# Altium PCB FPGA_SHIELD_MARK1_Single_Side.PcbDoc (part 2 of 3) (continued)
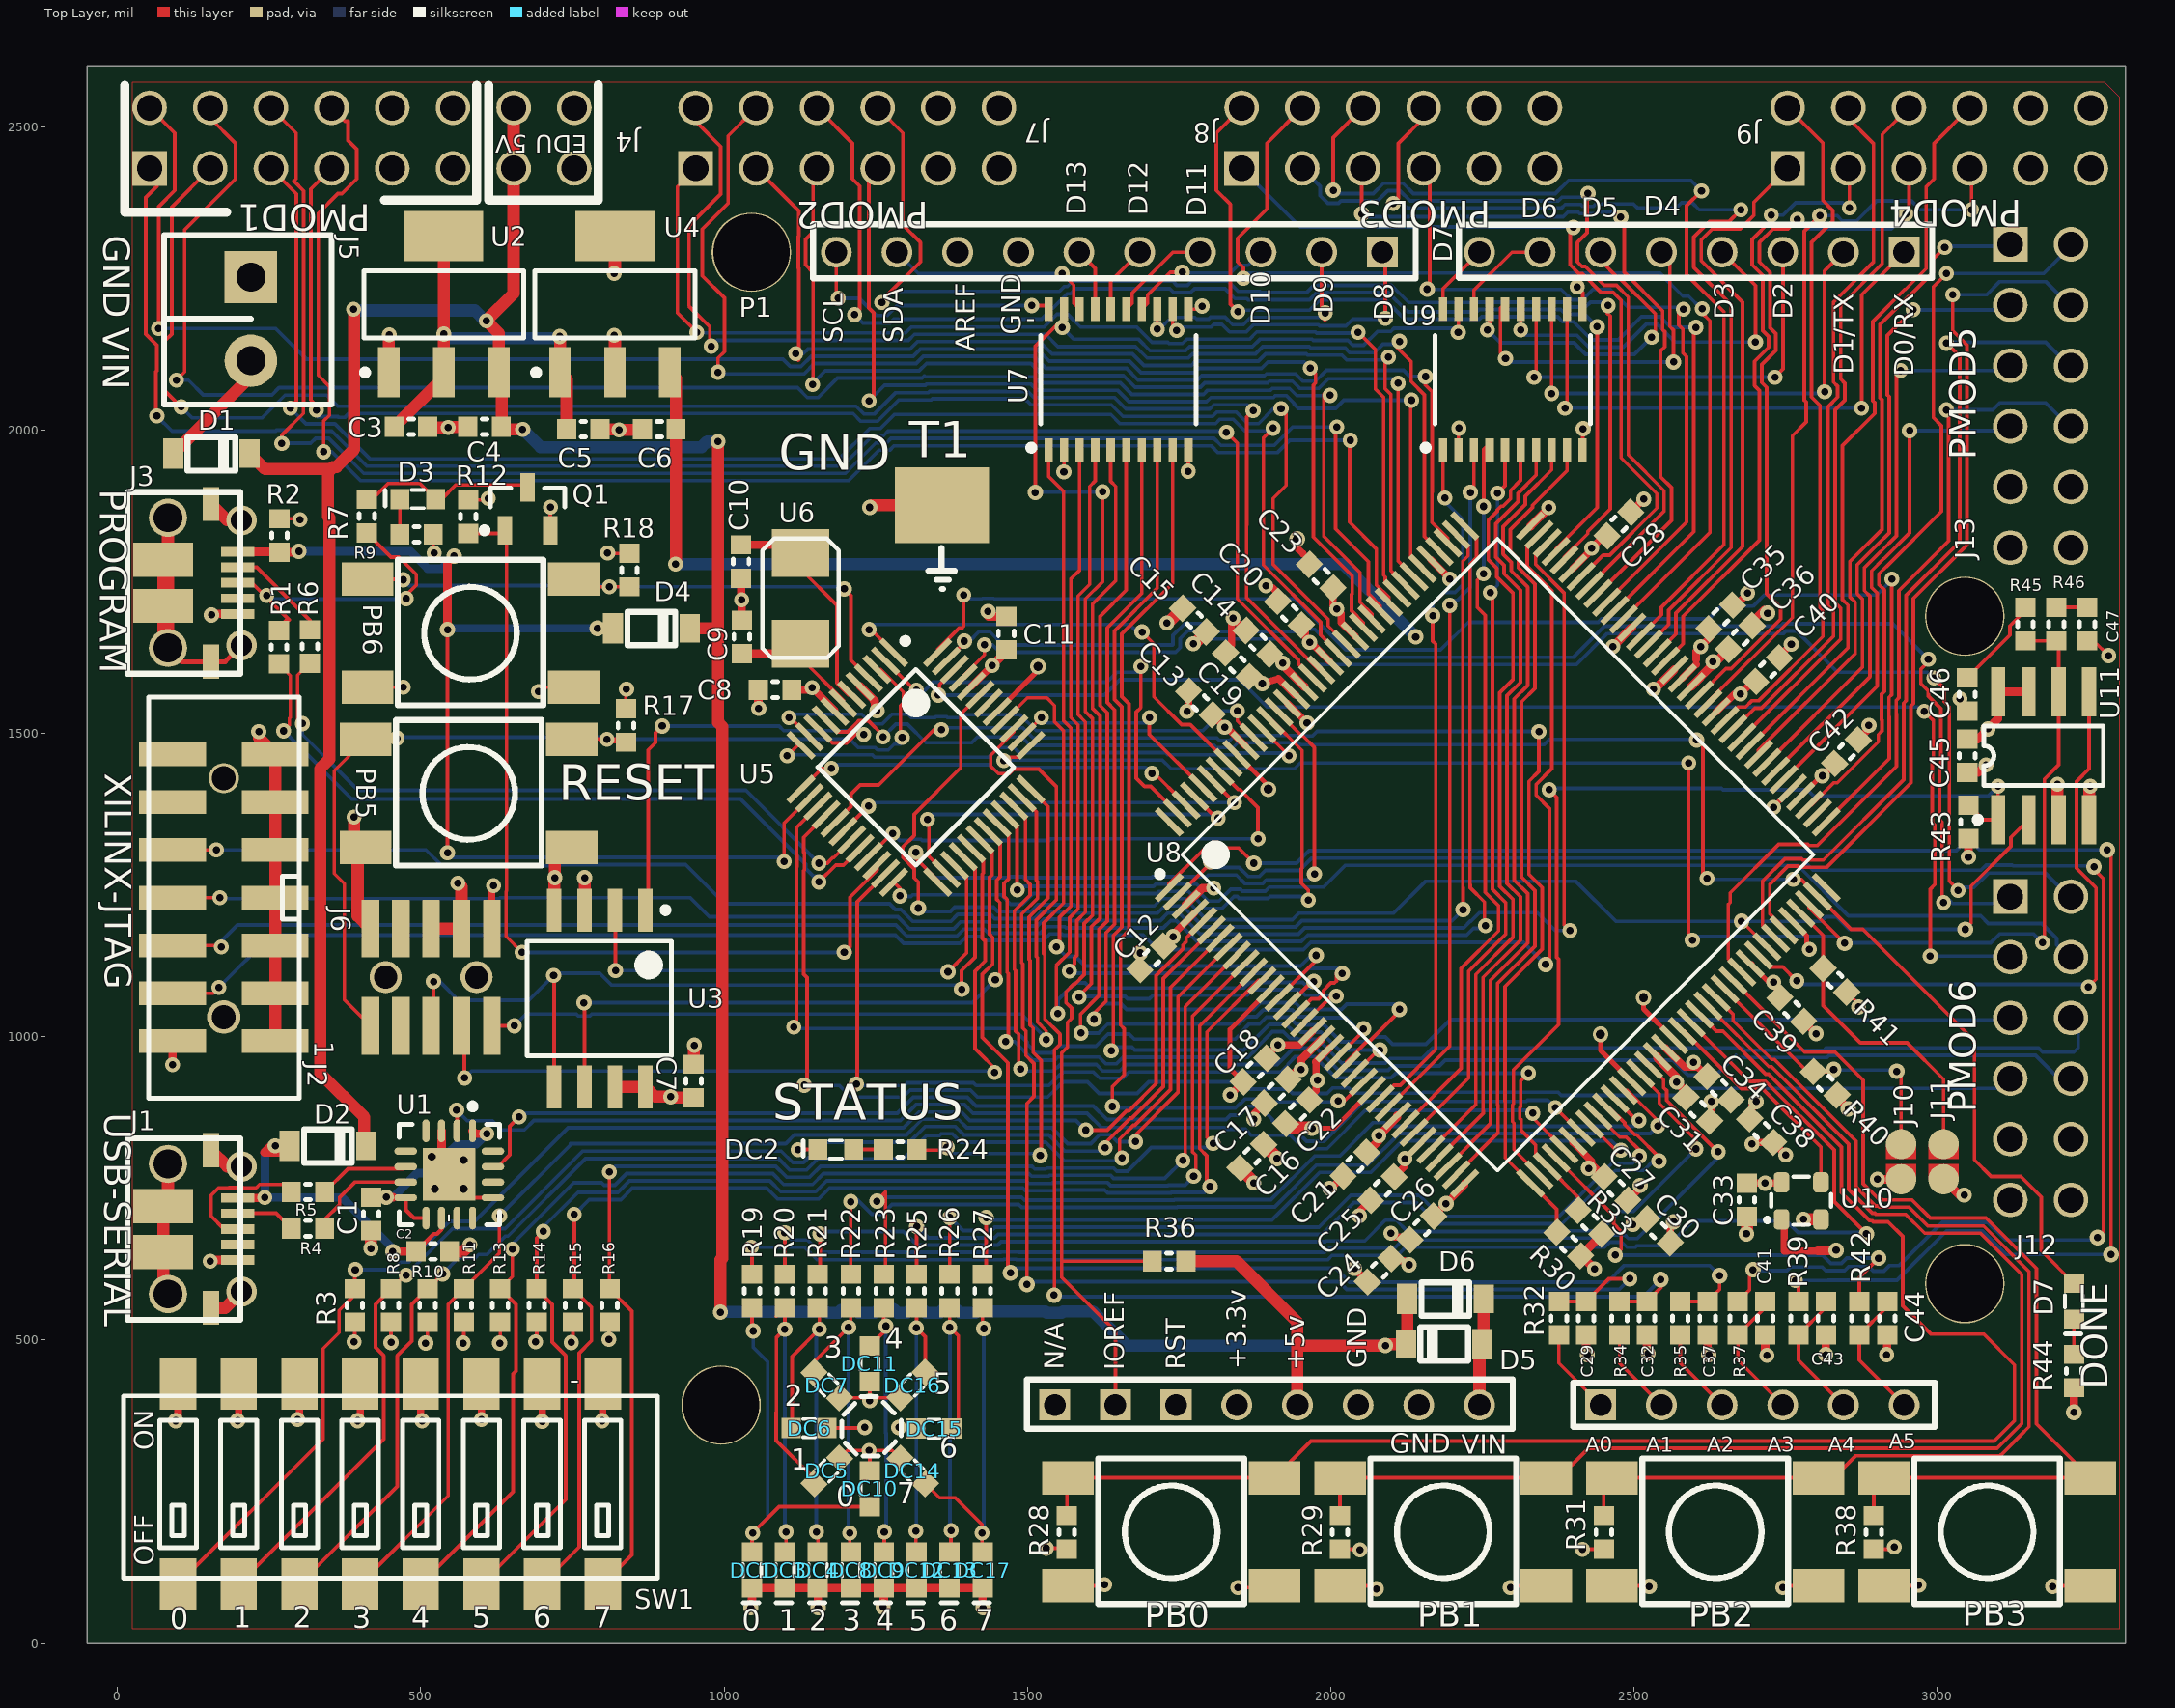
[diagram p0: Top Layer view]
## Nets (pads, with @x,y where several pads share a name; then routed paths per layer and width w, separated by ;. In a path a pad name is that pad's centre, name@x,y a point inside that pad or via, vN(x,y) a via of type N, cw(c..) or ccw(c..) an arc to the next point about the centre after c; other vN are vias at no path point) (continued)
  Bottom Layer w6: v1(2360,1407) 2362.5,1409.5 2643.91,1409.5 2646.41,1407 2785.62,1407 2796.12,1396.5 3083.5,1396.5 v1(3100,1413)
NetU8_64: U8.64 U11.5 | length 1079.1
  Top Layer w6: U8.64@2705.11,1134.36 2724.55,1114.92 2745.08,1114.92 v1(2768,1092) ; v1(3249,1082) 3261.5,1094.5 3261.5,1245.19 3229.19,1277.5 3229.19,1420.59 3250,1441.41 U11.5@3250,1568.32
  Bottom Layer w6: v1(2768,1092) 2773.5,1086.5 3244.5,1086.5 v1(3249,1082)
OSC_FPGA: U8.55 U10.3 | length 365.3
  Top Layer w6: U8.55@2579.84,1009.08 2582.31,1009.08 2676.89,914.5 2711.5,914.5 2807.96,818.04 U10.3@2807.96,760.02
PARD: U5.12 U8.133 | length 932.7
  Top Layer w6: v1(1104,1463) 1121.19,1480.19 U5.12@1126.7,1480.19 ; U8.133@1886.65,1507.4 v1(1931,1463)
  Bottom Layer w6: v1@1108.5,1467.5 1111.5,1464.5 1244.12,1464.5 1248.12,1460.5 1436.09,1460.5 1452.09,1476.5 1477.5,1476.5 1486,1468 1727.38,1468 1730.88,1464.5 1843.85,1464.5 1846.85,1467.5 1926.5,1467.5 v1(1931,1463)
PAWR: U5.24 U8.132 | length 1074.3
  Top Layer w6: U5.24@1279.81,1254.7 1290,1244.51 v1(1290,1232) ; U8.132@1900.57,1521.32 1903.09,1521.32 1952.5,1471.91 1952.5,1277.91 1951.5,1276.91 1951.5,1253.09 1963,1241.59 v1(1963,1225)
  Bottom Layer w6: v1(1290,1232) 1291,1231 1307.89,1231 1310.89,1234 1456.59,1234 1472.09,1218.5 1491.91,1218.5 1509.39,1235.99 1712.7,1235.99 1716.21,1239.5 1765.12,1239.5 1793.12,1211.5 1820.88,1211.5 1840.38,1231 1845.98,1231 1848.98,1228 1897.02,1228 1900.02,1231 1951,1231 1963,1219 v1(1963,1225)
PB0: PB0.B R28.1 U8.57 | length 2624.1
  Top Layer w6: R28.1@1565,210.56 1565,271 PB0.B@1567,273 PB0.B@1907,273 1967.5,333.5 3093.5,333.5 3127,367 3127,459 3076,510 2989,510 2942.73,556.27 2942.73,670.82 2918.56,695 2894.11,695 2892.11,697 2887.68,697 2841.76,742.93 2841.76,818.19 2721.44,938.5 2716.97,938.5 2646.47,1009 2635.6,1009 U8.57@2607.67,1036.92
PB1: PB1.B R29.1 U8.58 | length 2214.1
  Top Layer w6: R29.1@2015,210.56 2015,272.67 PB1.B@2015.33,273 PB1.B@2355.33,273 2376.5,273 2425,321.5 3098.47,321.5 3139,362.03 3139,608.06 3071.06,676 2978.97,676 2947.97,707 2899.08,707 2897.08,709 2892.65,709 2853.76,747.9 2853.76,823.16 2726.41,950.5 2721.94,950.5 U8.58@2621.59,1050.84
PB2: PB2.B R31.1 U8.59 | length 1799.3
  Top Layer w6: R31.1@2450,210.56 2450,259.33 PB2.B@2463.67,273 PB2.B@2803.67,273 2829.27,273 2865.77,309.5 3103.47,309.5 3108.98,315.01 3136.99,342.99 3151,357.03 3151,613.03 3076.03,688 2983.94,688 2952.94,719 2904.05,719 2902.05,721 2897.62,721 2865.76,752.87 2865.76,828.13 2731.38,962.5 2726.91,962.5 2663.28,1026.13 2663.28,1037 U8.59@2635.51,1064.76
PB3: PB3.B R38.1 U8.61 | length 1587.5
  Top Layer w6: U8.61@2663.35,1092.6 2781.5,974.45 2831.66,974.45 2877.76,928.36 2877.76,757.84 2902.59,733 2907.02,733 2909.02,731 2957.91,731 2987.91,701 3080,701 3163,618 3163,362 PB3.B@3252,273 PB3.B@2912,273 2895,256 R38.1@2895,210.56
PD0: U5.2 U8.143 | length 741.1
  Top Layer w6: U5.2@1265.89,1619.38 1312,1573.27 1312,1571 v1(1317,1571) ; v1(1687,1610) 1687,1542.41 1679.5,1534.91 1679.5,1426.09 1693.09,1412.5 1703.16,1412.5 U8.143@1747.45,1368.2
  Bottom Layer w6: v1(1317,1571) 1330.59,1571 1344.09,1584.5 1631.12,1584.5 1647.12,1600.5 1683.5,1600.5 1687,1604 v1(1687,1610)
PD1: U5.13 U8.142 | length 704.3
  Top Layer w6: U5.13@1126.7,1407.81 1160.89,1442 v1(1177,1442) ; v1(1705,1434) 1702,1434 1702,1441.5 U8.142@1761.37,1382.12
  Bottom Layer w6: v1(1177,1442) 1183.5,1448.5 1437.09,1448.5 1452.09,1433.5 1469.91,1433.5 1480.41,1444 1695,1444 v1(1705,1434)
PD2: U5.26 U8.141 | length 641.1
  Top Layer w6: v1(1335,1358) 1337.5,1355.5 1337.5,1297.23 U5.26@1366.11,1268.62 ; U8.141@1775.29,1396.04 1811.34,1360 v1(1814,1360)
  Bottom Layer w6: v1(1335,1358) 1343.5,1366.5 1807.5,1366.5 v1(1814,1360)
PD3: U5.38 U8.140 | length 388.3
  Top Layer w6: U5.38@1491.38,1494.11 1491.38,1494.38 v1(1523,1526) ; v1(1701,1526) 1701,1498.18 U8.140@1789.21,1409.96
  Bottom Layer w6: v1(1523,1526) 1532,1517 1701,1517 v1(1701,1526)
PD4: U5.18 U8.139 | length 718.1
  Top Layer w6: U5.18@1196.29,1338.29 v1(1238,1380) ; U8.139@1803.13,1423.88 v1(1841.01,1386)
  Bottom Layer w6: v1(1238,1380) 1244,1386 v1(1841.01,1386)
PD5: U5.21 U8.138 | length 817.5
  Top Layer w6: U5.21@1238.05,1296.45 1276.6,1335 v1(1278,1335) ; U8.138@1817.05,1437.8 1847.35,1407.5 1849.92,1407.5 1880,1377.42 v1@1880,1317
  Bottom Layer w6: v1(1278,1335) 1289.5,1323.5 1305.09,1323.5 1307.09,1325.5 1324.91,1325.5 1326.91,1323.5 1535.91,1323.5 1538.41,1326 1871,1326 v1@1880,1317
  other v1: 1880,1326
PD6: U5.1 U8.137 | length 783.8
  Top Layer w6: v1(1239,1671) 1242.11,1671 U5.1@1279.81,1633.3 ; v1(1689,1667) 1708.5,1647.5 1708.5,1560.09 1754.09,1514.5 1768.19,1514.5 U8.137@1830.97,1451.72
  Bottom Layer w6: v1(1239,1671) 1247.5,1679.5 1668.5,1679.5 1677,1671
PD7: U5.11 U8.134 | length 885.6
  Top Layer w6: v1(1107,1526) 1108.73,1526 U5.11@1140.62,1494.11 ; v1(1846,1537) 1846,1520.21 U8.134@1872.73,1493.48
  Bottom Layer w6: v1(1107,1526) 1112.5,1531.5 1227.09,1531.5 1243.09,1515.5 1260.91,1515.5 1276.91,1531.5 1302.76,1531.5 1308.26,1526 1347.59,1526 1349.09,1527.5 1366.91,1527.5 1368.41,1526 1388.59,1526 1393.09,1530.5 1488.09,1530.5 1514.09,1504.5 1789.09,1504.5 1821.59,1537 v1(1846,1537)
PMOD1_1: J4.1 U8.127 | length 2716.6
  Top Layer w6: J4.1@53,2431 65,2419 65,2401.5 46.5,2383 46.5,2158.09 65,2139.59 65,2097.38 63.5,2095.88 63.5,2024.5 v1(65,2023) ; v1(1828,1996) 1846,1978 1846,1721.62 1946.5,1621.12 1946.5,1614.58 U8.127@1970.17,1590.92
  Bottom Layer w6: v1(65,2023) 90,1998 260.59,1998 262.09,1999.5 279.91,1999.5 281.41,1998 353.38,1998 410.88,1940.5 1195.01,1940.5 1245.01,1990.5 1262.82,1990.5 1270.32,1998 1826,1998 v1(1828,1996)
PMOD1_2: J4.2 U8.126 | length 2759.6
  Top Layer w6: v1(105,2038) 75.5,2067.5 75.5,2090.91 79,2094.41 79,2147.59 89.5,2158.09 89.5,2367.5 J4.2@153,2431 ; v1(1872,2032) 1861.5,2021.5 1861.5,1843.5 1861,1843 1861,1723.59 1979.76,1604.83 U8.126@1984.08,1604.83
  Bottom Layer w6: v1(105,2038) 123,2020 238.59,2020 276.09,2057.5 344.79,2057.5 363.29,2039 1217.59,2039 1230.09,2026.5 1247.91,2026.5 1282.91,2061.5 1336.44,2061.5 1338.44,2063.5 1500.74,2063.5 1510.74,2053.5 1643.36,2053.5 1662.36,2034.5 1800.15,2034.5 1807.15,2041.5 1862.5,2041.5 v1(1872,2032)
PMOD1_3: J4.3 U8.124 | length 2548.1
  Top Layer w6: J4.3@253,2431 295,2389 295,2047.38 285,2037.38 v1(285,2036) ; v1(1905,2003) 1889,1987 1889,1777.41 1983.46,1682.95 1983.46,1661.95 2011.92,1633.48 U8.124@2011.92,1632.67
  Bottom Layer w6: v1(285,2036) 311,2010 358.35,2010 415.85,1952.5 1190.04,1952.5 1240.04,2002.5 1257.85,2002.5 1280.85,2025.5 1637.42,2025.5 1652.42,2010.5 1810.09,2010.5 1817.09,2017.5 1839.12,2017.5 1858.12,1998.5 1900.5,1998.5 v1(1905,2003)
PMOD1_4: J4.4 U8.123 | length 2535.9
  Top Layer w6: v1(328,2033) 328,2040.38 319,2049.38 319,2397 J4.4@353,2431 ; v1(1918,2035) 1926.5,2026.5 1926.5,1908.5 1905,1887 1905,1778.38 1995.46,1687.92 1995.46,1676.98 U8.123@2025.84,1646.59
  Bottom Layer w6: v1(328,2033) 319,2033 330,2022 363.32,2022 364.72,2020.6 374.66,2020.6 381.06,2027 1212.62,2027 1225.12,2014.5 1252.88,2014.5 1287.88,2049.5 1341.41,2049.5 1343.41,2051.5 1495.77,2051.5 1505.77,2041.5 1638.39,2041.5 1657.39,2022.5 1805.12,2022.5 1812.12,2029.5 1844.09,2029.5 1863.09,2010.5 1880.91,2010.5 1905.41,2035 v1(1918,2035)
PMOD1_7: J4.7 U8.121 | length 2823.4
  Top Layer w6: J4.7@53,2531 94.5,2489.5 94.5,2394.77 68,2368.27 v1(68,2167) ; v1(1966,2102) 1975,2093 1975,2077.41 1971.5,2073.91 1971.5,1823.5 2035.45,1759.55 2035.45,1730.13 2034.24,1728.92 2034.24,1702.02 2053.68,1682.59 U8.121@2053.68,1674.43
  Bottom Layer w6: v1(68,2167) 261,2167 311.5,2116.5 1097.09,2116.5 1109.09,2104.5 1126.91,2104.5 1143.91,2121.5 1311.59,2121.5 1323.59,2133.5 1515.59,2133.5 1535.59,2113.5 1668.21,2113.5 1687.21,2094.5 1775.3,2094.5 1782.3,2101.5 1885.73,2101.5 1896.23,2112 1956,2112 v1(1966,2102)
PMOD1_8: J4.8 U8.120 | length 2884.5
  Top Layer w6: v1(97,2082) 110.69,2095.69 110.69,2330 194.5,2413.81 194.5,2472.5 153,2514 J4.8@153,2531 ; v1(1999,2057) 1993,2063 1988.5,2058.5 1988.5,1824.5 2048.16,1764.84 2048.16,1715.94 2067.6,1696.5 U8.120@2067.6,1688.35
  Bottom Layer w6: v1(97,2082) 117.13,2082 141.33,2057.8 254.8,2057.8 266.5,2069.5 1121.09,2069.5 1137.09,2053.5 1154.91,2053.5 1186.91,2085.5 1326.5,2085.5 1330,2089 1331.5,2087.5 1510.68,2087.5 1520.68,2077.5 1653.3,2077.5 1672.3,2058.5 1790.21,2058.5 1797.21,2065.5 1900.64,2065.5 1903.64,2068.5 1931.88,2068.5 1943.88,2056.5 1998.5,2056.5 v1(1999,2057)
PMOD1_9: J4.9 U8.119 | length 2734.7
  Top Layer w6: J4.9@253,2531 294.5,2489.5 294.5,2413.81 290.83,2410.14 307,2393.97 307,2042.41 306.5,2041.91 306.5,2027.09 271,1991.59 v1(271,1978) ; v1(2010,2005) 2008,2003 2008,1837 2062.08,1782.92 2062.08,1729.86 2081.52,1710.42 U8.119@2081.52,1702.27
  Bottom Layer w6: v1(271,1978) 318.5,1978 326.5,1986 348.41,1986 405.91,1928.5 1199.98,1928.5 1249.98,1978.5 1267.79,1978.5 1275.29,1986 1807.59,1986 1819.09,1974.5 1906.91,1974.5 1937.41,2005 v1(2010,2005)
PMOD1_10: J4.10 U8.118 | length 2681.6
  Top Layer w6: v1(340,1964) 340,2014.59 349.5,2024.09 349.5,2071.5 331,2090 331,2357 363.5,2389.5 370.19,2389.5 394.5,2413.81 394.5,2462.69 380,2477.19 380,2509 375,2509 J4.10@353,2531 ; v1(2032,1983) 2031,1982 2031,1848 2075,1804 2075,1744.78 2095.44,1724.34 U8.118@2095.44,1716.19
  Bottom Layer w6: v1@340,1974 v1(340,1964) 353.44,1964 400.94,1916.5 1204.95,1916.5 1254.95,1966.5 1272.76,1966.5 1280.26,1974 1802.62,1974 1814.12,1962.5 1911.88,1962.5 1932.38,1983 v1(2032,1983)
PMOD2_1: J7.1 U8.117 | length 1885.5
  Top Layer w6: J7.1@953,2431 923,2401 923,2193 v1(955,2161) ; v1(2045,2161) 2073.5,2132.5 2073.5,2067.12 2087,2053.62 2087,1760.54 2090,1757.54 2090,1749.47 U8.117@2109.36,1730.11
  Bottom Layer w6: v1(955,2161) 956,2160 1299.18,2160 1308.68,2169.5 1527.53,2169.5 1548.53,2190.5 1566.34,2190.5 1587.34,2169.5 1680.09,2169.5 1705.09,2144.5 1731.09,2144.5 1733.09,2142.5 1755.42,2142.5 1762.42,2149.5 1865.85,2149.5 1877.85,2161.5 1974.38,2161.5 1976.38,2159.5 2043.5,2159.5 v1(2045,2161)
PMOD2_2: J7.2 U8.116 | length 1765.8
  Top Layer w6: J7.2@1053,2431 1123,2361 1123,2319.43 1122.47,2318.9 1122.47,2267.1 1123,2266.57 1123,2116 1122,2115 1118,2119 v1(1118,2126) ; v1(2095,2120) 2089.5,2114.5 2089.5,2068.09 2099,2058.59 2099,1768.31 U8.116@2123.28,1744.03
  Bottom Layer w6: v1(1118,2126) 1130.65,2126 1138.15,2133.5 1306.62,2133.5 1318.62,2145.5 1520.56,2145.5 1540.56,2125.5 1673.18,2125.5 1692.18,2106.5 1770.33,2106.5 1777.33,2113.5 1880.76,2113.5 1892.76,2125.5 1959.47,2125.5 1961.47,2123.5 2018.15,2123.5 2026.15,2115.5 2090.5,2115.5 v1(2095,2120)
PMOD2_3: J7.3 U8.115 | length 1715.9
  Top Layer w6: v1(1146,2075) 1145,2076 1146.47,2077.47 1146.47,2260.07 1134.47,2272.07 1134.47,2313.93 1146.47,2325.93 1146.47,2424.47 J7.3@1153,2431 ; v1(2111,2077) 2111,1784.15 U8.115@2137.2,1757.95
  Bottom Layer w6: v1(1146,2075) 1145,2076 1166.5,2097.5 1321.53,2097.5 1333.53,2109.5 1505.65,2109.5 1525.65,2089.5 1658.27,2089.5 1677.27,2070.5 1785.24,2070.5 1792.24,2077.5 1895.67,2077.5 1898.67,2080.5 1936.85,2080.5 1948.85,2068.5 1979.88,2068.5 1995.88,2084.5 2103.5,2084.5 v1(2111,2077)
PMOD2_4: J7.4 U8.114 | length 1617.6
  Top Layer w6: v1(1239,2048) 1246.47,2055.47 1246.47,2193.12 1238.5,2201.09 1238.5,2416.5 J7.4@1253,2431 ; v1(2133,2049) 2131.68,2047.68 2131.68,1791.31 U8.114@2151.12,1771.87
  Bottom Layer w6: v1(1239,2048) 1264.5,2073.5 1331.47,2073.5 1333.47,2075.5 1505.71,2075.5 1515.71,2065.5 1648.33,2065.5 1667.33,2046.5 1795.18,2046.5 1802.18,2053.5 1905.61,2053.5 1908.61,2056.5 1926.91,2056.5 1939.5,2043.91 1939.5,2042.75 1946.75,2035.5 2007.91,2035.5 2021.41,2049 v1(2133,2049)
PMOD2_7: J7.7 U8.112 | length 2006.4
  Top Layer w6: J7.7@953,2531 953,2508.73 994.5,2467.23 994.5,2388.5 942,2336 942,2204.41 976.5,2169.91 976.5,2137.5 978.84,2139.84 979,2139.68 v1(979,2138) ; v1(2113,2146) 2109.5,2142.5 2109.5,2135.91 2132.5,2112.91 2132.5,2079.91 2154.5,2057.91 2154.5,1824.16 U8.112@2178.96,1799.71
  Bottom Layer w6: v1(979,2138) 988.5,2147.5 1303.65,2147.5 1313.65,2157.5 1530,2157.5 1550,2137.5 1678.15,2137.5 1697.15,2118.5 1765.36,2118.5 1772.36,2125.5 1875.79,2125.5 1887.79,2137.5 1964.44,2137.5 1966.44,2135.5 2023.12,2135.5 2031.12,2127.5 2072.09,2127.5 2086.09,2141.5 2108.5,2141.5 v1(2113,2146)
PMOD2_8: J7.8 U8.111 | length 1998.5
  Top Layer w6: v1(990,2095) 990,2118.59 1000.5,2129.09 1000.5,2217.5 964,2254 964,2331 1006.5,2373.5 1006.5,2484.5 J7.8@1053,2531 ; v1(2156,2088) 2156,2074 2167,2063 2167,1897.41 2166.5,1896.91 2166.5,1848.15 2192.88,1821.78 U8.111@2192.88,1813.63
  Bottom Layer w6: v1(990,2095) 992.5,2092.5 1131.88,2092.5 1148.88,2109.5 1316.56,2109.5 1328.56,2121.5 1510.62,2121.5 1530.62,2101.5 1663.24,2101.5 1682.24,2082.5 1780.27,2082.5 1787.27,2089.5 1890.7,2089.5 1893.7,2092.5 1941.82,2092.5 1953.82,2080.5 1974.91,2080.5 1992.91,2098.5 2119.91,2098.5 2130.41,2088 v1(2156,2088)
PMOD2_9: J7.9 U8.105 | length 2069.9
  Top Layer w6: J7.9@1153,2531 1211.5,2472.5 1211.5,2413.81 1223.53,2401.78 1223.53,2198.53 v1(1215,2190) ; U8.105@2371.04,1799.71 2371.04,1804.04 2439,1872 v1(2439,2170)
  Bottom Layer w6: v1(1215,2190) 1228.5,2176.5 1273.88,2176.5 1279.88,2182.5 1523.56,2182.5 1565.56,2224.5 1570.88,2224.5 1579.38,2233 1734.62,2233 1741.12,2226.5 1768.88,2226.5 1775.38,2233 1825.62,2233 1842.12,2216.5 1861.5,2216.5 1863.5,2214.5 1965.12,2214.5 1977.12,2226.5 2094.88,2226.5 2126.88,2194.5 2240.12,2194.5 2244.12,2198.5 2378.99,2198.5 2387.07,2190.42 2418.58,2190.42 v1(2439,2170)
PMOD2_10: J7.10 U8.104 | length 2079.8
  Top Layer w6: J7.10@1253,2531 1294.5,2489.5 1294.5,2337.99 1323.53,2308.96 1323.53,2277.04 1260,2213.51 v1(1260,2210) ; U8.104@2384.96,1785.79 2384.96,1790.37 2423.55,1828.95 2423.55,1832.55 2460.5,1869.5 2460.5,2187.91 2456,2192.41 2456,2204 v1(2457,2205)
  Bottom Layer w6: v1(1260,2210) 1278.5,2228.5 1552.59,2228.5 1560.59,2236.5 1565.91,2236.5 1574.41,2245 1739.59,2245 1746.09,2238.5 1763.91,2238.5 1770.41,2245 1830.59,2245 1847.09,2228.5 1882.88,2228.5 1884.88,2226.5 1960.15,2226.5 1972.15,2238.5 2099.85,2238.5 2128.35,2210 2238.65,2210 2239.15,2210.5 2383.96,2210.5 2392.04,2202.42 2419.79,2202.42 2427.88,2210.5 2451.5,2210.5 v1(2457,2205)
PMOD3_1: J8.1 U8.102 | length 1299.1
  Top Layer w6: v1(2400,2334) 2394.47,2328.47 2394.47,2272.07 2409.13,2257.42 2414.82,2257.42 2445.74,2226.5 2465.91,2226.5 2478.5,2213.91 2478.5,1953.91 2537.5,1894.91 2537.5,1871.11 2459.94,1793.55 2448.95,1793.55 2413.35,1757.95 U8.102@2412.8,1757.95
  Bottom Layer w6: J8.1@1853,2431 1949.5,2334.5 v1@2401,2334.5
PMOD3_2: J8.2 U8.101 | length 1300.9
  Top Layer w6: v1(2424,2390) 2422.5,2388.5 2422.5,2324.99 2406.47,2308.96 2406.47,2277.04 2414.1,2269.42 2419.79,2269.42 2450.71,2238.5 2470.88,2238.5 2490.5,2218.88 2490.5,1958.88 2549.5,1899.88 2549.5,1866.14 2427.39,1744.03 U8.101@2426.72,1744.03
  Bottom Layer w6: J8.2@1953,2431 1982.5,2401.5 1982.5,2386.09 1995.09,2373.5 2012.91,2373.5 2016.91,2377.5 2077.09,2377.5 2094.09,2394.5 2113.84,2394.5 2130.84,2377.5 2375.16,2377.5 2381.16,2383.5 v1@2424,2383.5
PMOD3_3: J8.3 U8.100 | length 1227.5
  Top Layer w6: v1(2051,2356) 2051,2429 J8.3@2053,2431 ; U8.100@2440.64,1730.11 2561.5,1850.97 2561.5,1904.85 2543.5,1922.85 2543.5,2130 2550.5,2137 2550.5,2161.91 2547,2165.41 2547,2196.32 2483.53,2259.79 2483.53,2345.47 v1(2478,2351)
  Bottom Layer w6: v1(2051,2356) 2051,2360 2059.5,2351.5 2383.1,2351.5 2391.1,2359.5 2407.12,2359.5 2410.12,2356.5 2437.88,2356.5 2440.88,2359.5 v1@2478,2359.5
PMOD3_4: J8.4 U8.99 | length 1201.7
  Top Layer w6: J8.4@2153,2431 2163,2421 2163,2232 v1(2159,2232) ; U8.99@2454.56,1716.19 2586.5,1848.13 2586.5,2120.91 2580.5,2126.91 2580.5,2165.85 2573.5,2172.85 2573.5,2191.5 v1(2581,2199)
  Bottom Layer w6: v1(2159,2232) 2163,2232 2163.5,2231.5 2379.93,2231.5 2397.01,2214.42 2414.82,2214.42 2431.91,2231.5 2460.91,2231.5 2490.41,2202 v1@2581,2202
PMOD3_7: J8.7 U8.98 | length 1713.6
  Top Layer w6: v1(1847,2195) 1834.47,2207.53 1834.47,2371.8 1811.5,2394.77 1811.5,2489.5 J8.7@1853,2531 ; U8.98@2468.48,1702.27 2598.5,1832.29 2598.5,2165.5 2595,2169 v1(2602,2169)
  Bottom Layer w6: v1(1847,2195) 1849.5,2197.5 1965.09,2197.5 1982.09,2214.5 2089.91,2214.5 2121.91,2182.5 2245.09,2182.5 2249.09,2186.5 2374.02,2186.5 2382.1,2178.42 2400.18,2178.42 2430.09,2148.5 2474,2148.5 2512,2186.5 2542.88,2186.5 2560.38,2169 v1(2602,2169)
PMOD3_8: J8.8 U8.97 | length 1688.9
  Top Layer w6: v1(1856,2250) 1856,2267.51 1846.47,2277.04 1846.47,2315.99 1894.5,2364.02 1894.5,2472.5 J8.8@1953,2531 ; U8.97@2482.4,1688.35 2625,1830.95 2625,2180 2612,2193 v1(2612,2200)
  Bottom Layer w6: v1(1856,2250) 1864.5,2258.5 2542.5,2258.5 2580.5,2220.5 2589.91,2220.5 2610.41,2200 v1(2612,2200)
PMOD3_9: J8.9 U8.95 | length 1622.2
  Top Layer w6: v1(2004,2395) 2004,2482 J8.9@2053,2531 ; U8.95@2510.24,1660.51 2545,1695.28 2545,1707.91 2648,1810.91 2648,2194.41 2586.5,2255.91 2586.5,2369.5 v1(2611,2394)
  Bottom Layer w6: v1(2004,2395) 2009.5,2389.5 2070.19,2389.5 2087.19,2406.5 2118.81,2406.5 2135.81,2389.5 2370.19,2389.5 2392.19,2411.5 2593.5,2411.5 v1(2611,2394)
PMOD3_10: J8.10 U8.94 | length 1620.9
  Top Layer w6: v1(2103,2373) 2111.5,2381.5 2111.5,2472.5 2153,2514 J8.10@2153,2531 ; U8.94@2524.16,1646.59 2557,1679.44 2557,1702.94 2660,1805.94 2660,2206.54 2598.5,2268.04 2598.5,2317.96 2624.07,2343.53 2656.53,2343.53 v1(2676,2363)
  Bottom Layer w6: v1(2103,2373) 2118.37,2373 2125.87,2365.5 2380.13,2365.5 2386.13,2371.5 2412.09,2371.5 2415.09,2368.5 2432.91,2368.5 2436.91,2372.5 2498.88,2372.5 2505.88,2365.5 2569.09,2365.5 2578.09,2374.5 2595.91,2374.5 2607.41,2363 v1(2676,2363)
PMOD4_1: J9.1 U8.93 | length 970.6
  Top Layer w6: U8.93@2538.08,1632.67 2569,1663.6 2569,1697.97 2678.5,1807.47 2678.5,2210.71 2610.5,2278.71 2610.5,2312.99 2629.04,2331.53 2674.93,2331.53 2697.5,2354.09 2697.5,2375.5 J9.1@2753,2431
PMOD4_2: J9.2 U8.92 | length 1047.4
  Top Layer w6: U8.92@2552,1618.75 2581,1647.76 2581,1693 2706.47,1818.47 2706.47,2065.15 2698.5,2073.12 2698.5,2113.09 2721.5,2136.09 2721.5,2153.91 2712,2163.41 2712,2254.54 2694.47,2272.07 2694.47,2313.93 2726,2345.46 v1(2726,2354) ; J9.2@2853,2431 2855,2429 v1(2855,2366)
  Bottom Layer w6: v1(2726,2354) 2745.59,2354 2766.09,2374.5 2843.5,2374.5 2855,2363 v1(2855,2366)
PMOD4_3: J9.3 U8.88 | length 1191
  Top Layer w6: U8.88@2607.67,1563.08 2651.14,1606.55 2659.94,1606.55 2741.5,1688.11 2741.5,1706.91 2718.47,1729.93 2718.47,2070.12 2710.5,2078.09 2710.5,2108.12 2733.5,2131.12 2733.5,2158.88 2724,2168.38 2724,2259.51 2706.47,2277.04 2706.47,2308.96 2729.04,2331.53 2753.53,2331.53 v1(2769,2347) ; v1(2948,2356) 2953,2361 J9.3@2953,2431
  Bottom Layer w6: v1(2769,2347) 2784.5,2331.5 2829.01,2331.5 ; 2829.04,2331.53 2923.53,2331.53 v1(2948,2356)
PMOD4_4: J9.4 U8.87 | length 1225.6
  Top Layer w6: U8.87@2621.59,1549.16 2621.59,1551.23 2761,1690.64 2761,1990.49 2783.53,2013.02 2783.53,2046.1 2780.5,2049.12 2780.5,2327.5 v1(2806,2353) ; J9.4@3053,2431 3056,2428 v1(3056,2363)
  Bottom Layer w6: v1(2806,2353) 2806.5,2353.5 2834.09,2353.5 2843.09,2344.5 2866.91,2344.5 2899.91,2377.5 2956.91,2377.5 2971.41,2363 v1(3056,2363)
PMOD4_7: J9.7 U8.85 | length 1143.3
  Top Layer w6: U8.85@2649.43,1521.32 2671.61,1543.5 2683.91,1543.5 2693.95,1553.55 2704.94,1553.55 2811,1659.61 2811,1701.83 2806.47,1706.36 2806.47,2040.12 2792.5,2054.09 2792.5,2309.09 2827.5,2344.09 2827.5,2361.91 2811,2378.41 2811,2473 J9.7@2753,2531
PMOD4_8: J9.8 U8.84 | length 1157.1
  Top Layer w6: U8.84@2663.35,1507.4 2664.78,1507.4 2698.92,1541.55 2709.91,1541.55 2828.5,1660.14 2828.5,1701.3 2819.5,1710.3 2819.5,2038.09 2835.5,2054.09 2835.5,2071.91 2828.5,2078.91 2828.5,2210.44 2894.5,2276.44 2894.5,2472.5 2853,2514 J9.8@2853,2531
PMOD4_9: J9.9 U8.83 | length 1165.9
  Top Layer w6: U8.83@2677.27,1493.48 2678.81,1493.48 2840.5,1655.17 2840.5,1706.27 2831.5,1715.27 2831.5,2033.12 2847.5,2049.12 2847.5,2076.88 2840.5,2083.88 2840.5,2205.47 2909,2273.97 2909,2487 J9.9@2953,2531
PMOD4_10: J9.10 U8.82 | length 1211.9
  Top Layer w6: U8.82@2691.19,1479.56 2852.5,1640.87 2852.5,1711.24 2843.5,1720.24 2843.5,1974.09 2896.5,2027.09 2896.5,2044.91 2893.5,2047.91 2893.5,2178.88 2946.12,2231.5 2947.23,2231.5 2981.5,2265.77 2981.5,2400.81 2994.5,2413.81 2994.5,2472.5 J9.10@3053,2531
PMOD5_1: J13.1 U8.81 | length 1081.9
  Top Layer w6: U8.81@2705.11,1465.64 2705.11,1472.02 2864.5,1631.41 2864.5,1716.21 2855.5,1725.21 2855.5,1782.79 2908.5,1835.79 2908.5,2049.88 2905.5,2052.88 2905.5,2173.91 2951.09,2219.5 2952.2,2219.5 2993.5,2260.8 2993.5,2282.5 v1(3012,2301)
  Bottom Layer w6: v1(3012,2301) 3014,2303 J13.1@3120,2303
PMOD5_2: J13.2 U8.80 | length 1018.3
  Top Layer w6: U8.80@2719.03,1451.72 2876.5,1609.19 2876.5,1721.18 2867.5,1730.18 2867.5,1777.82 2901.18,1811.5 2901.59,1811.5 2920.5,1830.41 2920.5,2054.85 2917.5,2057.85 2917.5,2155.5 v1(2960,2198)
  Bottom Layer w6: v1(2960,2198) 3115,2198 J13.2@3120,2203
PMOD5_3: J13.3 U8.79 | length 936.3
  Top Layer w6: U8.79@2732.95,1437.8 2888.5,1593.35 2888.5,1726.15 2879.5,1735.15 2879.5,1772.85 2906.15,1799.5 2906.56,1799.5 2932.5,1825.44 2932.5,2091.5 v1(2939,2098)
  Bottom Layer w6: v1(2939,2098) 3115,2098 J13.3@3120,2103
PMOD5_4: J13.4 U8.78 | length 836.3
  Top Layer w6: U8.78@2746.87,1423.88 2900.5,1577.51 2900.5,1731.12 2891.5,1740.12 2891.5,1767.88 2911.12,1787.5 2911.53,1787.5 2954,1829.97 v1(2954,1999)
  Bottom Layer w6: v1(2954,1999) 3116,1999 J13.4@3120,2003
PMOD5_7: J13.7 U8.75 | length 1218
  Top Layer w6: U8.75@2788.63,1382.12 2792.53,1382.12 2828.95,1418.55 2834.94,1418.55 2902.5,1486.11 2902.5,1498.09 2908.5,1504.09 2908.5,1521.91 2908,1522.41 2908,1564.29 2912.5,1568.79 2912.5,1736.09 2903.5,1745.09 2903.5,1762.91 2916.09,1775.5 2916.5,1775.5 3006.5,1865.5 3006.5,2006.91 2993.5,2019.91 2993.5,2236.5 v1(3015,2258)
  Bottom Layer w6: v1(3015,2258) 3175,2258 J13.7@3220,2303
PMOD5_8: J13.8 U8.67 | length 1462
  Top Layer w6: U8.67@2746.87,1176.12 2746.87,1178.83 2723.5,1202.2 2723.5,1251.08 2753.43,1281.01 2771.24,1281.01 2773.17,1279.07 2816.99,1279.07 2956.5,1418.59 2956.5,1544.91 2960.5,1548.91 2960.5,1722.5 3048.5,1810.5 3048.5,2139.91 3025,2163.41 v1(3025,2223)
  Bottom Layer w6: v1(3025,2223) 3081.31,2223 3102.81,2244.5 3178.5,2244.5 J13.8@3220,2203
PMOD5_9: J13.9 U8.66 | length 1396
  Top Layer w6: U8.66@2732.95,1162.2 2711.5,1183.65 2711.5,1256.05 2748.46,1293.01 2776.21,1293.01 2778.14,1291.07 2812.01,1291.07 2944.5,1423.56 2944.5,1549.88 2948.5,1553.88 2948.5,1727.5 3036.5,1815.5 3036.5,2121.5 v1(3015,2143)
  Bottom Layer w6: v1(3015,2143) 3016.5,2144.5 3178.5,2144.5 J13.9@3220,2103
PMOD5_10: J13.10 U8.62 | length 1355.1
  Top Layer w6: U8.62@2677.27,1106.52 2655,1128.79 2655,1217.59 2658.5,1221.09 2658.5,1236.99 2738.52,1317.01 2786.15,1317.01 2788.08,1315.07 2802.07,1315.07 2932.5,1445.5 2932.5,1531.85 2932,1532.35 2932,1554.35 2936.5,1558.85 2936.5,1735.09 3018.5,1817.09 3018.5,2029.5 v1(3015,2033)
  Bottom Layer w6: v1(3015,2033) 3091.31,2033 3102.81,2044.5 3178.5,2044.5 J13.10@3220,2003
PMOD6_1: J12.1 U5.47 | length 2286.8
  Top Layer w6: U5.47@1366.11,1619.38 1396,1649.27 v1(1396,1652) ; v1(2985,1622) 2985,1618.41 2972.5,1605.91 2972.5,1582.09 2985,1569.59 2985,1561.06 3005.5,1540.56 3005.5,1448.12 3003.5,1446.12 3003.5,1358.21 3007.73,1353.97 3007.73,1223.27 v1(3010,1221)
  Bottom Layer w6: v1(1396,1652) 1404.59,1652 1420.09,1667.5 1437.91,1667.5 1459.91,1645.5 1739.12,1645.5 1739.86,1646.24 1739.86,1661.38 1759.49,1681 1787.24,1681 1800.74,1667.5 1952.09,1667.5 1956.09,1671.5 1973.91,1671.5 2019.91,1625.5 2400.12,1625.5 2451.12,1676.5 2741.12,1676.5 2745.12,1680.5 2926.5,1680.5 v1(2985,1622) ; v1(3010,1221) 3013.5,1224.5 3020.09,1224.5 3025.09,1219.5 3111.5,1219.5 J12.1@3120,1228
PMOD6_2: J12.2 U5.46 | length 2267.2
  Top Layer w6: v1(1353,1563) 1355,1565 1355,1580.44 U5.46@1380.03,1605.47 ; v1(2978,1536) 2993.5,1520.5 2993.5,1453.09 2991.5,1451.09 2991.5,1353.24 2995.73,1349 2995.73,1251 2988,1243.26 v1(2988,1133)
  Bottom Layer w6: v1(1353,1563) 1626.59,1563 1652.09,1588.5 1850.09,1588.5 1895.09,1543.5 2967.5,1543.5 2971.5,1539.5 2981.5,1539.5 v1(2978,1536) ; v1(2988,1133) 3115,1133 J12.2@3120,1128
PMOD6_3: J12.3 U5.15 | length 2479.6
  Top Layer w6: v1(1115,1016) 1119,1020 1119,1278.59 1120.5,1280.09 1120.5,1297.91 1119,1299.41 1119,1344.44 U5.15@1154.53,1379.97
  Bottom Layer w6: v1@1115,1013.5 1476.91,1013.5 1499.5,990.91 1499.5,988.09 1514.09,973.5 1539.91,973.5 1550.91,984.5 1612.88,984.5 1632.88,1004.5 1667.47,1004.5 1675.97,996 1842.68,996 1852.5,1005.82 1852.5,1007.82 1865.68,1021 1882.65,1021 1893.8,1032.15 1931.49,1032.15 1942.64,1021 1954.32,1021 1955.82,1019.5 1988.79,1019.5 2016.79,991.5 2062.91,991.5 2070.91,999.5 2089.91,999.5 2101.91,987.5 2156.91,987.5 2197.41,1028 2860.59,1028 2861.09,1027.5 3119.5,1027.5 J12.3@3120,1028
PMOD6_4: J12.4 U5.16 | length 2526.4
  Top Layer w6: v1(1132,920) 1136.5,924.5 1136.5,1097.5 1131,1103 1131,1273.62 1132.5,1275.12 1132.5,1302.88 1131,1304.38 1131,1328.6 U5.16@1168.45,1366.05
  Bottom Layer w6: v1@1132,919.5 1190.09,919.5 1209.09,900.5 1295.18,900.5 1306.68,912 1405.94,912 1417.44,900.5 1533.47,900.5 1558.47,925.5 1599.12,925.5 1618.12,906.5 1680.82,906.5 1699.82,925.5 1842.91,925.5 1854.91,913.5 1930,913.5 1937,906.5 1994.09,906.5 2003.09,915.5 2029.5,915.5 2038,907 2150.97,907 2152.47,908.5 2374.91,908.5 2379.91,903.5 2578.91,903.5 2590.41,915 3107,915 J12.4@3120,928
PMOD6_7: J12.7 U5.45 | length 2322.2
  Top Layer w6: U5.45@1393.95,1591.55 1393.95,1594.35 1429,1629.41 v1(1429,1646) ; v1(2994,1591) 3011,1574 3011,1552.03 3019.73,1543.3 3019.73,1256.27 3034,1242 v1(3034,1241)
  Bottom Layer w6: v1(1429,1646) 1442.44,1646 1454.94,1633.5 1744.09,1633.5 1751.86,1641.27 1751.86,1656.4 1764.46,1669 1782.27,1669 1795.77,1655.5 1929.09,1655.5 1971.09,1613.5 2405.09,1613.5 2456.09,1664.5 2746.09,1664.5 2750.09,1668.5 2767.91,1668.5 2835.91,1600.5 2984.5,1600.5 v1(2994,1591) ; v1(3034,1241) 3039,1246 3060.27,1246 3083.77,1269.5 3178.5,1269.5 J12.7@3220,1228
PMOD6_8: J12.8 U5.33 | length 2000.4
  Top Layer w6: U5.33@1463.55,1366.05 1482.99,1346.61 v1(1483,1242) ; v1(1483,1242) 1483,1240 1481,1240 v1(1483,1242)
  Bottom Layer w6: v1(1483,1242) 1483,1240 1481,1240 1488.99,1247.99 1707.73,1247.99 1711.24,1251.5 1778.76,1251.5 1785.5,1244.76 1785.5,1236.09 1798.09,1223.5 1815.91,1223.5 1835.41,1243 1850.95,1243 1853.95,1240 1892.05,1240 1898.55,1246.5 1987.91,1246.5 2023.91,1282.5 2769.75,1282.5 2853.12,1199.12 3071.15,1199.12 3083.77,1186.5 3171.91,1186.5 3196.5,1161.91 3196.5,1151.5 J12.8@3220,1128